# Altium PCB CarrierMotherboard.PcbDoc (part 1 of 6) (continued)
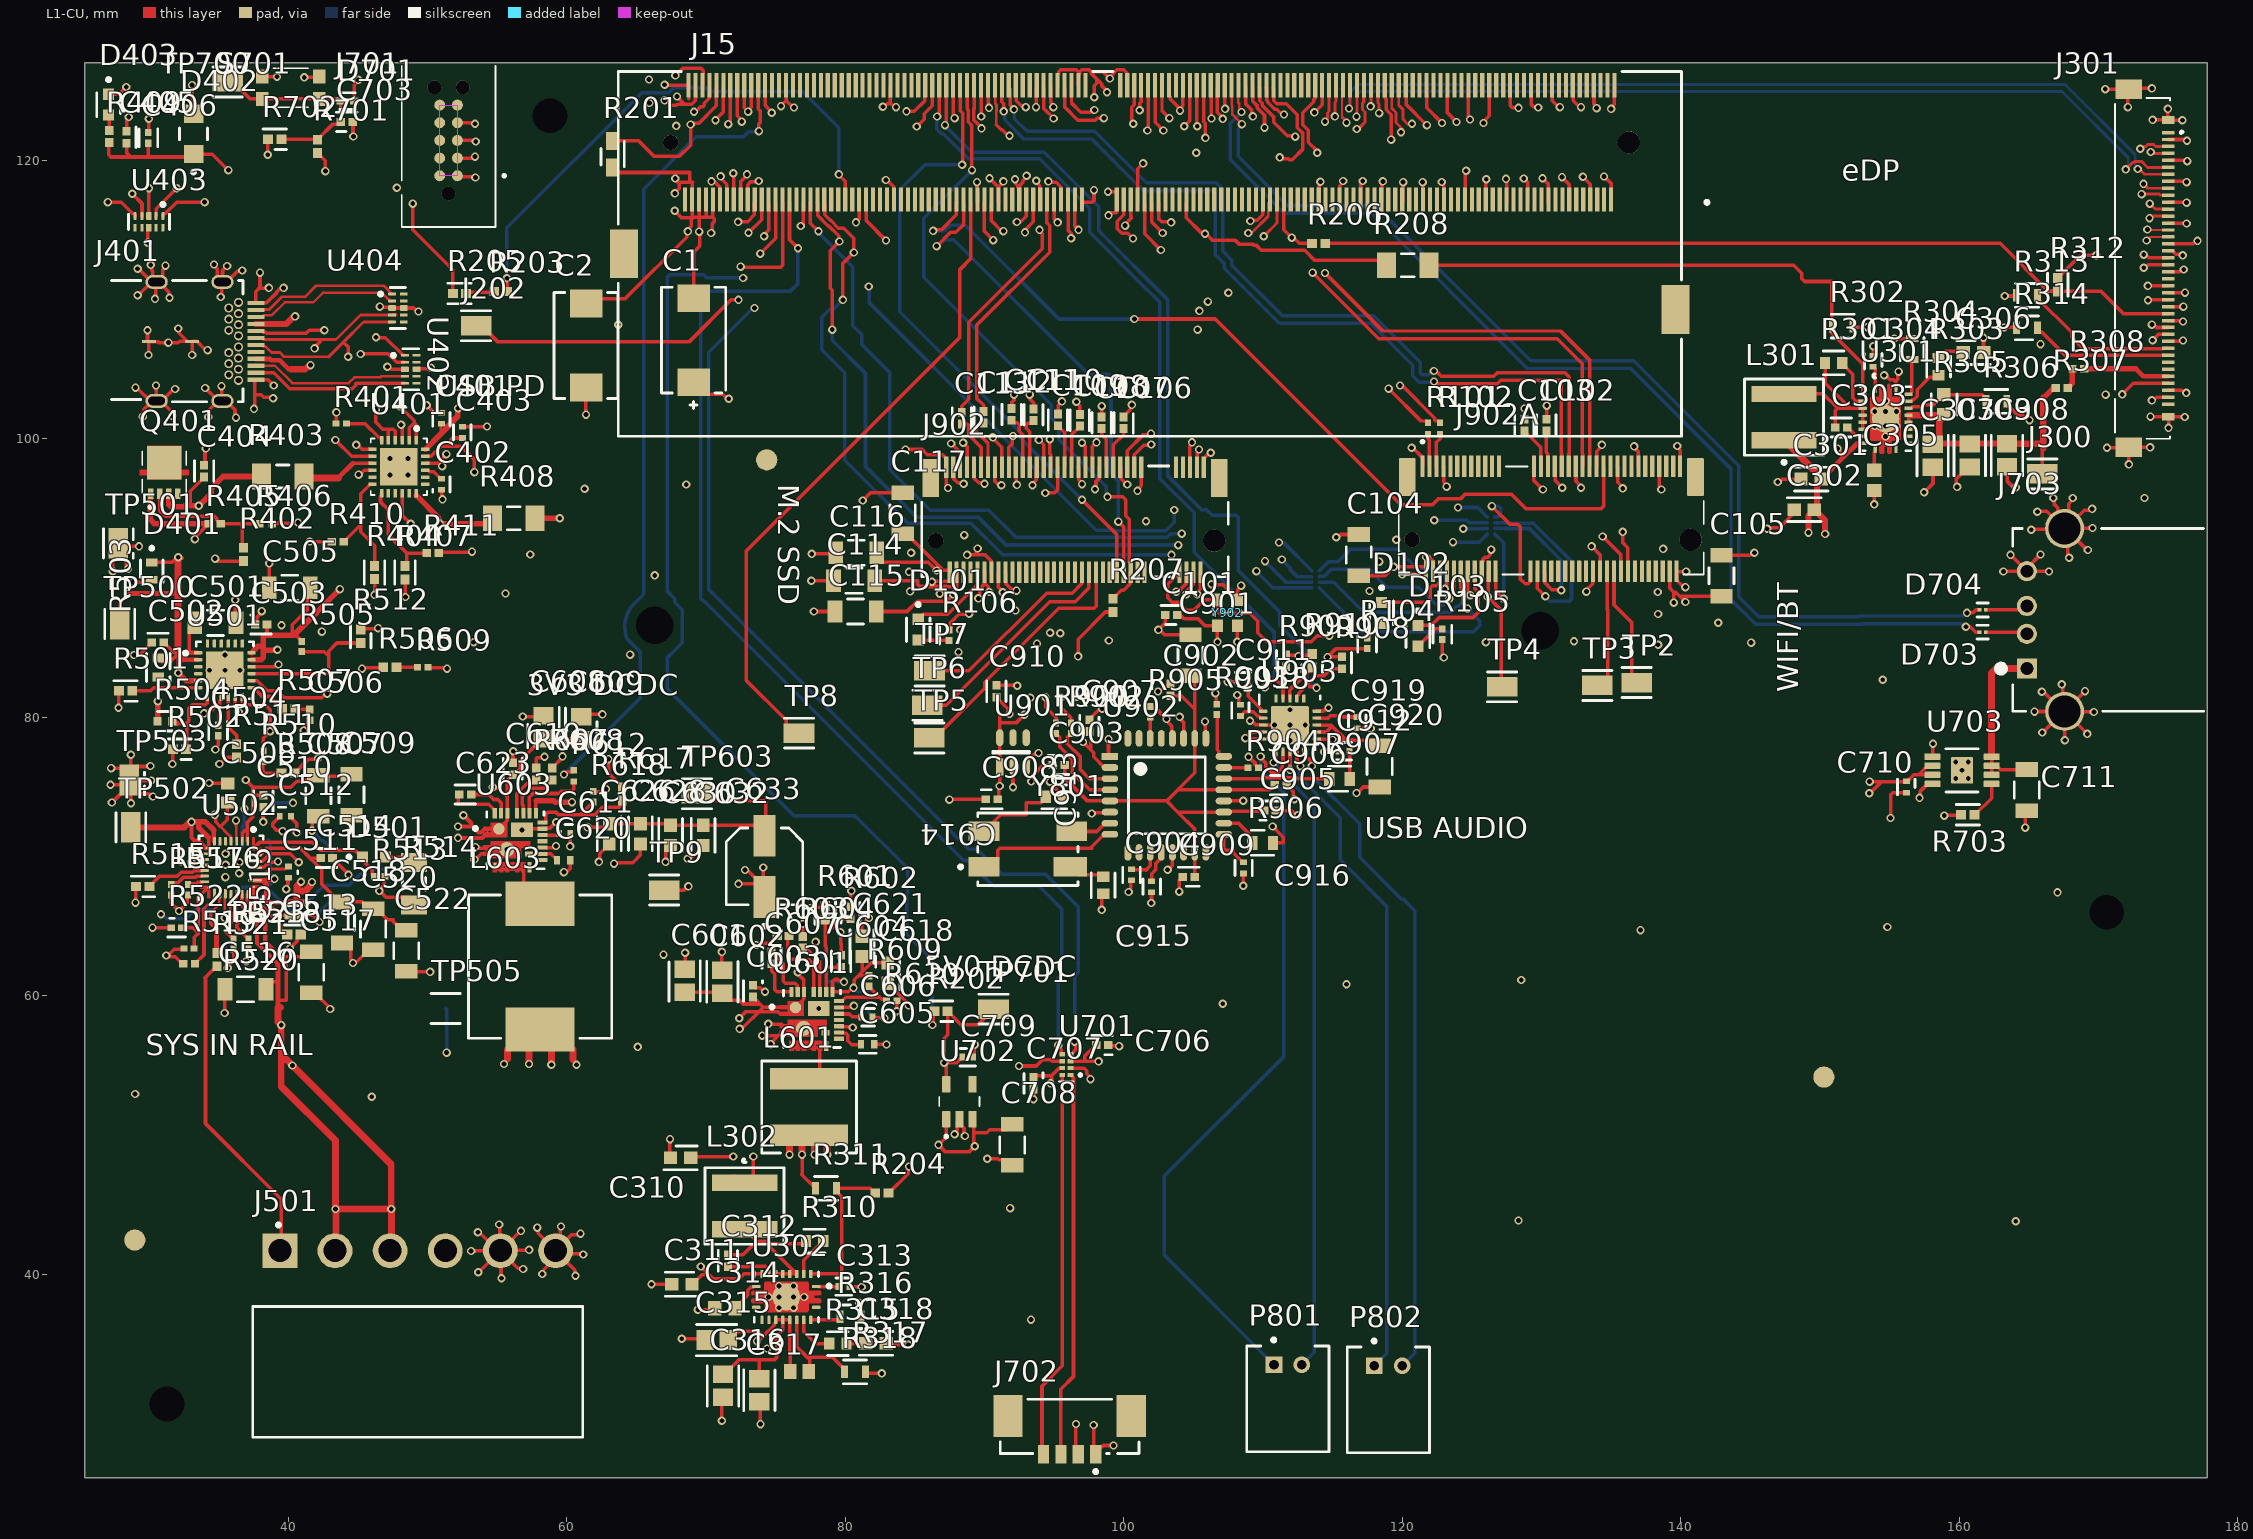
[diagram p0: L1-CU view]
## Components (designator, comment, footprint, x,y, rotation, side; value= is the part's Value field where it differs from the comment) (continued)
R908 "2k7" FP-CR0402-IPC_B 115.672,83.922 r90 top
R909 "2k7" FP-CR0402-IPC_B 111.658,84.074 r90 top
R910 "100k" FP-RC0402-0_4-IPC_A 113.535,84.074 r270 top
RN101 "" FP-EXB-18V-MFG 113.777,89.916 r270 bottom value=0Ω
RN104 "EXB-18VR000X" FP-EXB-18V-MFG 126.386,93.774 r270 bottom value=0Ω
S701 "KMR211NGLFS" SW_KMR211NGLFS 40.183,125.222 r180 top
TP2 "TP_W_DISABLE1" FP-S2751-46R-MFG#1 136.83,82.499 r0 top
TP3 "TP_W_DISABLE2" FP-S2751-46R-MFG#1 134.01,82.296 r0 top
TP4 "TP_UART_WAKE#" FP-S2751-46R-MFG#1 127.178,82.194 r0 top
TP5 "TP_M2_M_ALERT#" FP-S2751-46R-MFG#1 86.036,78.524 r0 top
TP6 "TP_M2_M_SMB_DATA" FP-S2751-46R-MFG#1 85.903,80.874 r0 top
TP7 "TP_M2_M_SMB_CLK" FP-S2751-46R-MFG#1 86.055,83.337 r0 top
TP8 "" FP-S2751-46R-MFG#2 76.683,78.867 r0 top
TP9 "" FP-S2751-46R-MFG#3 67,67.6 r0 top
TP500 "GND" FP-S2751-46R-MFG#4 27.9,86.7 r90 top
TP501 "TP_VSYS_IN" FP-S2751-46R-MFG#1 27.8,92.5 r90 top
TP502 "TP_INJECT_VOLT" FP-S2751-46R-MFG#1 28.7,72.1 r90 top
TP503 "GND" FP-S2751-46R-MFG#1 28.6,75.5 r90 top
TP504 "TP_SYS_IN" FP-S2751-46R-MFG#1 47.1,68.9 r180 bottom
TP505 "GND" FP-S2751-46R-MFG#5 51.3,59.1 r180 top
TP603 "TP_3V3_OUT" FP-S2751-46R-MFG#1 69.349,74.512 r0 top
TP700 "TP" FP-S2751-46R-MFG#1 35.645,125.629 r0 top
TP701 "TP_1V8_LDO" FP-S2751-46R-MFG#1 90.65,59.05 r0 top
U301 "TPS61088RHLT" FP-RHL0020A-MFG 154.711,101.448 r0 top
U302 "" FP-RHL0020A-MFG 75.772,38.38 r270 top
U401 "STUSB4500QTR" FP-QFN-24-EP_4x4-MFG 47.95,98 r270 top
U402 "TPD4E05U06QDQARQ1" FP-DQA0010A-MFG 48.8,105 r0 top value=0.5pF
U403 "TPD4E05U06QDQARQ1" FP-DQA0010A-MFG 30,115.582 r270 top value=0.5pF
U404 "TPD4E05U06QDQARQ1" FP-DQA0010A-MFG 47.883,109.4 r0 top value=0.5pF
U501 "TPS26630RGET" FP-RGE0024H-MFG 35.45,83.387 r0 top
U502 "BQ25792RQMR" FP-RQM0029A-MFG 35.9,69.2 r270 top
U601 "SIC431AED-T1-GE3" FP-T22-0442-MFG 77.613,58.348 r0 top
U603 "SIC431AED-T1-GE3" FP-T22-0442-MFG 56.313,71.175 r0 top
U701 "NTS0102GT" PSON50P100X195X50-8N 95.885,55.067 r180 top
U702 "TPS7A0518PDBVT" SOT95P280X145-5N 88.2,52.4 r90 top
U703 "TPS2001CDGNR" DGN0008D_L 160.2,76.2 r0 top
U901 "TPS22918TDBVRQ1" FP-DBV0006A-IPC_C 92.05,77.495 r90 top
U902 "PCM2912APJTR" FP-PJT0032A-IPC_C 103.1,74.4 r0 top
U903 "TPA2016D2RTJT" RTJ0020D_V 111.938,79.451 r0 top
Y801 "6mhz" FP-ABMM-MFG 93.116,70.536 r0 top
Y902 "ECS-327MVATX-2-CN-TR3" OSC_ECS-2520S25-250-FN-TR 107.451,87.52 r90 top

## Footprints (in the part's own frame and the unit in brackets; to place one, negate y for a bottom-side part, rotate by r counter-clockwise, add the part's x,y. Pads: shape width x height; smd on the part's side, far side on the other; paste and mask are expansions set on the pad)
632723300011 [mm] "USB 3.1 Type C Receptacle Horizontal THR"
  rect 0.3x1.2 smd mask+0.1: A1(-2.75,5.93) A2(-2.25,5.93) A3(-1.75,5.93) A4(-1.25,5.93) A5(-0.75,5.93) A6(-0.25,5.93) A7(0.25,5.93) A8(0.75,5.93) A9(1.25,5.93) A10(1.75,5.93) A11(2.25,5.93) A12(2.75,5.93)
  round 0.65 hole 0.4 mask+0.1: B1(2.8,4.68) B2(2.4,3.98) B3(1.6,3.98) B4(1.2,4.68) B5(0.8,3.98) B6(0.4,4.68) B7(-0.4,4.68) B8(-0.8,3.98) B9(-1.2,4.68) B10(-1.6,3.98) B11(-2.4,3.98) B12(-2.8,4.68) Shell(-2,4.68) Shell(2,4.68)
  oval 1x1.6 hole 0.6 slot 1.2 at 90 deg mask+0.1: Shell(-4.27,3.53) Shell(-4.27,-1.2) Shell(4.27,3.53) Shell(4.27,-1.2)
  rect 0.2x1 smd mask+0.1: Shell(0,1.35) Shell(0,-1.75)
  silkscreen extent -4.37,-4.45 4.34,5, body extent -4.37,-5.6 4.37,6.19, height 3.05
CAPC1005X55X25LL05T10 [mm] "Chip Capacitor, 2-Leads, Body 1.00x0.50mm, IPC High Density"
  rect 0.56x0.52 smd mask+0.065: 1(-0.39,0) 2(0.39,0)
  body extent -0.53,-0.28 0.53,0.28, height 0.55
CAPC1005X55X25ML5T10 [mm] "Chip Capacitor, 2-Leads, Body 1.05x0.55mm, IPC Low Density"
  rect 0.76x0.72 smd mask+0.065: 1(-0.49,0) 2(0.49,0)
  body extent -0.53,-0.28 0.53,0.28, height 0.55
CAPC1608X90X35ML10T15 [mm] "Chip Capacitor, 2-Leads, Body 1.60x0.80mm, IPC Low Density"
  rect 0.95x1.05 smd mask+0.1: 1(-0.725,0) 2(0.725,0)
  body extent -0.85,-0.45 0.85,0.45, height 0.9
CAPC1608X90X35NL10T15 [mm] "Chip Capacitor, 2-Leads, Body 1.60x0.80mm, IPC Medium Density"
  rect 0.85x0.95 smd mask+0.1: 1(-0.675,0) 2(0.675,0)
  body extent -0.85,-0.45 0.85,0.45, height 0.9
DGN0008D_L [mm] "TSOP, 8-Leads, Body 3.1x3.1mm, Pitch 0.65mm, Thermal Pad 1.89x1.57mm, IPC High Density"
  rrect22% 1.15x0.45 smd mask+0.1: 1(-2.125,0.975) 2(-2.125,0.325) 3(-2.125,-0.325) 4(-2.125,-0.975) 5(2.125,-0.975) 6(2.125,-0.325) 7(2.125,0.325) 8(2.125,0.975)
  rrect6% 1.57x1.89 smd mask+0.1: 9(0,0)
  silkscreen extent -1.15,-1.55 1.15,1.55, body extent -2.45,-1.5 2.45,1.5, height 0.94
FP-1-2199230-6-MFG [mm]
  rect 0.3x1.55 smd paste+0 mask+0: 1(-9.25,3.9) 2(-9,-3.65) 3(-8.75,3.9) 4(-8.5,-3.65) 5(-8.25,3.9) 6(-8,-3.65) 7(-7.75,3.9) 8(-7.5,-3.65) 9(-7.25,3.9) 10(-7,-3.65) 11(-6.75,3.9) 12(-6.5,-3.65) 13(-6.25,3.9) 14(-6,-3.65) 15(-5.75,3.9) 16(-5.5,-3.65) 17(-5.25,3.9) 18(-5,-3.65) 19(-4.75,3.9) 20(-4.5,-3.65) 21(-4.25,3.9) 22(-4,-3.65) 23(-3.75,3.9) 24(-3.5,-3.65) 25(-3.25,3.9) 26(-3,-3.65) 27(-2.75,3.9) 28(-2.5,-3.65) 29(-2.25,3.9) 30(-2,-3.65) 31(-1.75,3.9) 32(-1.5,-3.65) 33(-1.25,3.9) 34(-1,-3.65) 35(-0.75,3.9) 36(-0.5,-3.65) 37(-0.25,3.9) 38(0,-3.65) 39(0.25,3.9) 40(0.5,-3.65) 41(0.75,3.9) 42(1,-3.65) 43(1.25,3.9) 44(1.5,-3.65) 45(1.75,3.9) 46(2,-3.65) 47(2.25,3.9) 48(2.5,-3.65) 49(2.75,3.9) 50(3,-3.65) 51(3.25,3.9) 52(3.5,-3.65) 53(3.75,3.9) 54(4,-3.65) 55(4.25,3.9) 56(4.5,-3.65) 57(4.75,3.9) 58(5,-3.65) 67(7.25,3.9) 68(7.5,-3.65) 69(7.75,3.9) 70(8,-3.65) 71(8.25,3.9) 72(8.5,-3.65) 73(8.75,3.9) 74(9,-3.65) 75(9.25,3.9)
  rect 1.2x2.75 smd paste+0 mask+0: 76(-10.35,3.125) 77(10.35,3.125)
  round 1.1 hole 1.1 unplated paste-2539.97 mask+0: ""(-10,-1.375)
  round 1.6 hole 1.6 unplated paste-2539.97 mask+0: ""(10,-1.375)
  silkscreen extent -11,-3.98 11,3.98, body extent -11.1,-4.52 11.1,4.77, height 0.25
FP-2309413-1-MFG [mm]
  rect 0.3x1.75 smd paste+0 mask+0: 1(33.375,12.1) 2(33.125,3.9) 3(32.875,12.1) 4(32.625,3.9) 5(32.375,12.1) 6(32.125,3.9) 7(31.875,12.1) 8(31.625,3.9) 9(31.375,12.1) 10(31.125,3.9) 11(30.875,12.1) 12(30.625,3.9) 13(30.375,12.1) 14(30.125,3.9) 15(29.875,12.1) 16(29.625,3.9) 17(29.375,12.1) 18(29.125,3.9) 19(28.875,12.1) 20(28.625,3.9) 21(28.375,12.1) 22(28.125,3.9) 23(27.875,12.1) 24(27.625,3.9) 25(27.375,12.1) 26(27.125,3.9) 27(26.875,12.1) 28(26.625,3.9) 29(26.375,12.1) 30(26.125,3.9) 31(25.875,12.1) 32(25.625,3.9) 33(25.375,12.1) 34(25.125,3.9) 35(24.875,12.1) 36(24.625,3.9) 37(24.375,12.1) 38(24.125,3.9) 39(23.875,12.1) 40(23.625,3.9) 41(23.375,12.1) 42(23.125,3.9) 43(22.875,12.1) 44(22.625,3.9) 45(22.375,12.1) 46(22.125,3.9) 47(21.875,12.1) 48(21.625,3.9) 49(21.375,12.1) 50(21.125,3.9) 51(20.875,12.1) 52(20.625,3.9) 53(20.375,12.1) 54(20.125,3.9) 55(19.875,12.1) 56(19.625,3.9) 57(19.375,12.1) 58(19.125,3.9) 59(18.875,12.1) 60(18.625,3.9) 61(18.375,12.1) 62(18.125,3.9) 63(17.875,12.1) 64(17.625,3.9) 65(17.375,12.1) 66(17.125,3.9) 67(16.875,12.1) 68(16.625,3.9) 69(16.375,12.1) 70(16.125,3.9) 71(15.875,12.1) 72(15.625,3.9) 73(15.375,12.1) 74(15.125,3.9) 75(14.875,12.1) 76(14.625,3.9) 77(14.375,12.1) 78(14.125,3.9) 79(13.875,12.1) 80(13.625,3.9) 81(13.375,12.1) 82(13.125,3.9) 83(12.875,12.1) 84(12.625,3.9) 85(12.375,12.1) 86(12.125,3.9) 87(11.875,12.1) 88(11.625,3.9) 89(11.375,12.1) 90(11.125,3.9) 91(10.875,12.1) 92(10.625,3.9) 93(10.375,12.1) 94(10.125,3.9) 95(9.875,12.1) 96(9.625,3.9) 97(9.375,12.1) 98(9.125,3.9) 99(8.875,12.1) 100(8.625,3.9) 101(8.375,12.1) 102(8.125,3.9) 103(7.875,12.1) 104(7.625,3.9) 105(7.375,12.1) 106(7.125,3.9) 107(6.875,12.1) 108(6.625,3.9) 109(6.375,12.1) 110(6.125,3.9) 111(5.875,12.1) 112(5.625,3.9) 113(5.375,12.1) 114(5.125,3.9) 115(4.875,12.1) 116(4.625,3.9) 117(4.375,12.1) 118(4.125,3.9) 119(3.875,12.1) 120(3.625,3.9) 121(3.375,12.1) 122(3.125,3.9) 123(2.875,12.1) 124(2.625,3.9) 125(2.375,12.1) 126(2.125,3.9) 127(1.875,12.1) 128(1.625,3.9) 129(1.375,12.1) 130(1.125,3.9) 131(0.875,12.1) 132(0.625,3.9) 133(0.375,12.1) 134(0.125,3.9) 135(-0.125,12.1) 136(-0.375,3.9) 137(-0.625,12.1) 138(-0.875,3.9) 139(-1.125,12.1) 140(-1.375,3.9) 141(-1.625,12.1) 142(-1.875,3.9) 143(-2.125,12.1) 144(-2.375,3.9) 145(-4.625,12.1) 146(-4.875,3.9) 147(-5.125,12.1) 148(-5.375,3.9) 149(-5.625,12.1) 150(-5.875,3.9) 151(-6.125,12.1) 152(-6.375,3.9) 153(-6.625,12.1) 154(-6.875,3.9) 155(-7.125,12.1) 156(-7.375,3.9) 157(-7.625,12.1) 158(-7.875,3.9) 159(-8.125,12.1) 160(-8.375,3.9) 161(-8.625,12.1) 162(-8.875,3.9) 163(-9.125,12.1) 164(-9.375,3.9) 165(-9.625,12.1) 166(-9.875,3.9) 167(-10.125,12.1) 168(-10.375,3.9) 169(-10.625,12.1) 170(-10.875,3.9) 171(-11.125,12.1) 172(-11.375,3.9) 173(-11.625,12.1) 174(-11.875,3.9) 175(-12.125,12.1) 176(-12.375,3.9) 177(-12.625,12.1) 178(-12.875,3.9) 179(-13.125,12.1) 180(-13.375,3.9) 181(-13.625,12.1) 182(-13.875,3.9) 183(-14.125,12.1) 184(-14.375,3.9) 185(-14.625,12.1) 186(-14.875,3.9) 187(-15.125,12.1) 188(-15.375,3.9) 189(-15.625,12.1) 190(-15.875,3.9) 191(-16.125,12.1) 192(-16.375,3.9) 193(-16.625,12.1) 194(-16.875,3.9) 195(-17.125,12.1) 196(-17.375,3.9) 197(-17.625,12.1) 198(-17.875,3.9) 199(-18.125,12.1) 200(-18.375,3.9) 201(-18.625,12.1) 202(-18.875,3.9) 203(-19.125,12.1) 204(-19.375,3.9) 205(-19.625,12.1) 206(-19.875,3.9) 207(-20.125,12.1) 208(-20.375,3.9) 209(-20.625,12.1) 210(-20.875,3.9) 211(-21.125,12.1) 212(-21.375,3.9) 213(-21.625,12.1) 214(-21.875,3.9) 215(-22.125,12.1) 216(-22.375,3.9) 217(-22.625,12.1) 218(-22.875,3.9) 219(-23.125,12.1) 220(-23.375,3.9) 221(-23.625,12.1) 222(-23.875,3.9) 223(-24.125,12.1) 224(-24.375,3.9) 225(-24.625,12.1) 226(-24.875,3.9) 227(-25.125,12.1) 228(-25.375,3.9) 229(-25.625,12.1) 230(-25.875,3.9) 231(-26.125,12.1) 232(-26.375,3.9) 233(-26.625,12.1) 234(-26.875,3.9) 235(-27.125,12.1) 236(-27.375,3.9) 237(-27.625,12.1) 238(-27.875,3.9) 239(-28.125,12.1) 240(-28.375,3.9) 241(-28.625,12.1) 242(-28.875,3.9) 243(-29.125,12.1) 244(-29.375,3.9) 245(-29.625,12.1) 246(-29.875,3.9) 247(-30.125,12.1) 248(-30.375,3.9) 249(-30.625,12.1) 250(-30.875,3.9) 251(-31.125,12.1) 252(-31.375,3.9) 253(-31.625,12.1) 254(-31.875,3.9) 255(-32.125,12.1) 256(-32.375,3.9) 257(-32.625,12.1) 258(-32.875,3.9) 259(-33.125,12.1) 260(-33.375,3.9)
  rect 2x3.5 smd paste+0 mask+0: 261(-37.75,0) 262(37.75,-4)
  round 1.1 hole 1.1 unplated paste-2539.97 mask+0: ""(-34.4,8)
  round 1.6 hole 1.6 unplated paste-2539.97 mask+0: ""(34.4,8)
  silkscreen extent -38.18,-13.1 40.12,13.1, body extent -39.1,-13.2 39.1,13.2, height 0.25
FP-533980471-MFG [mm]
  rect 0.8x1.3 smd paste+0 mask+0: 1(1.875,-2) 2(0.625,-2) 3(-0.625,-2) 4(-1.875,-2)
  rect 2.1x3 smd paste+0 mask+0: 5(-4.425,0.75) 6(4.425,0.75)
  silkscreen extent -4.97,-3.37 4.97,1.95, body extent -5.58,-2.75 5.58,2.35, height 0.25
FP-ABMM-MFG [mm]
  rect 2.2x1.4 smd paste+0 mask+0: 1(-3.15,-1.27) 2(-3.15,1.27) 3(3.15,1.27)
  rect 2.4x1.4 smd paste+0 mask+0: 4(3.05,-1.27)
  silkscreen extent -4.95,-2.6 3.6,2.6, body extent -4.35,-2.7 4.35,2.7, height 0.25
FP-AC0603-IPC_C [mm]
  rect 0.659x0.812 smd paste+0 mask+0: 1(-0.677,0) 2(0.677,0)
  silkscreen extent -1.01,-0.85 1.01,0.85, body extent -1.11,-0.55 1.11,0.55, height 0.25
FP-B6PS-VH_LF_SN-MFG [mm]
  rect 2.5x2.5 hole 1.65 paste-2539.97 mask+0: 1(-9.9,8.7)
  round 2.5 hole 1.65 paste-2539.97 mask+0: 2(-5.94,8.7) 3(-1.98,8.7) 4(1.98,8.7) 5(5.94,8.7) 6(9.9,8.7)
  silkscreen extent -11.85,-4.7 11.85,10.67, body extent -11.95,-6.3 11.95,10.05, height 0.25
FP-C0603C-CF-MFG#1 [mm]
  rect 0.75x0.9 smd paste+0 mask+0: 1(-0.6,0) 2(0.6,0)
  silkscreen extent -0.87,-0.85 0.88,0.85, body extent -1.2,-0.6 1.2,0.6, height 0.25
FP-C0603C-CF-MFG#2 [mm]
  rect 0.75x0.9 smd paste+0 mask+0: 1(-0.6,0) 1(0.6,0)
  silkscreen extent -0.87,-0.85 0.87,0.85, body extent -1.2,-0.6 1.2,0.6, height 0.25
FP-C1005-050-0_05-IPC_B [mm]
  rect 0.639x0.572 smd paste+0 mask+0: 1(-0.417,0) 2(0.417,0)
  silkscreen extent -0.74,-0.69 0.74,0.69, body extent -0.89,-0.44 0.89,0.44, height 0.25
FP-CL10-IPC_B [mm]
  rect 0.958x0.912 smd paste+0 mask+0: 1(-0.727,0) 2(0.727,0)
  silkscreen extent -1.21,-0.86 1.21,0.86, body extent -1.46,-0.71 1.46,0.71, height 0.25
FP-CR0402-IPC_A [mm]
  rect 0.715x0.672 smd paste+0 mask+0: 1(-0.479,0) 2(0.479,0)
  silkscreen extent -0.84,-0.74 0.84,0.74, body extent -1.04,-0.54 1.04,0.54, height 0.25
FP-CR0402-IPC_B [mm]
  rect 0.615x0.572 smd paste+0 mask+0: 1(-0.429,0) 2(0.429,0)
  silkscreen extent -0.74,-0.69 0.74,0.69, body extent -0.89,-0.44 0.89,0.44, height 0.25
FP-CR0402-IPC_C [mm]
  rect 0.515x0.472 smd paste+0 mask+0: 1(-0.379,0) 2(0.379,0)
  silkscreen extent -0.64,-0.67 0.64,0.67, body extent -0.74,-0.38 0.74,0.38, height 0.25
FP-CRCW0402-e3-MFG [mm]
  rect 0.6x0.6 smd paste+0 mask+0: 1(-0.525,0) 2(0.525,0)
  silkscreen extent -0.53,-0.7 0.53,0.7, body extent -0.92,-0.4 0.92,0.4, height 0.25
FP-CRCW0603-e3-IPC_B [mm]
  rect 0.935x0.962 smd paste+0 mask+0: 1(-0.715,0) 2(0.715,0)
  silkscreen extent -0.75,-0.95 0.75,0.9, body extent -1.43,-0.73 1.43,0.73, height 0.25
FP-CRCW0603-e3-IPC_C [mm]
  rect 0.735x0.862 smd paste+0 mask+0: 1(-0.615,0) 2(0.615,0)
  silkscreen extent -0.75,-0.85 0.75,0.85, body extent -1.08,-0.58 1.08,0.58, height 0.25
FP-CRCW0603-e3-MFG [mm]
  rect 0.75x1 smd paste+0 mask+0: 1(-0.75,0) 2(0.75,0)
  silkscreen extent -0.8,-0.9 0.8,0.9, body extent -1.22,-0.6 1.22,0.6, height 0.25
FP-CRCW0603C-e3-MFG [mm]
  rect 0.5x0.9 smd paste+0 mask+0: 1(-0.75,0) 2(0.75,0)
  silkscreen extent -0.82,-0.85 0.82,0.85, body extent -1.1,-0.55 1.1,0.55, height 0.25
FP-DBV0006A-IPC_C [mm]
  rect 1.205x0.53 smd paste+0 mask+0: 1(-1.05,0.95)
  rrect100% 1.205x0.53 smd paste+0 mask+0: 2(-1.05,0) 3(-1.05,-0.95) 4(1.05,-0.95) 5(1.05,0) 6(1.05,0.95)
  silkscreen extent -0.05,-1.19 0.05,1.45, body extent -1.75,-1.55 1.75,1.55, height 0.25
FP-DPL0002A-MFG [mm]
  rect 0.28x0.25 smd paste+0 mask+0: 1(-0.22,0) 2(0.22,0)
  silkscreen extent -0.4,-0.5 0.4,0.5, body extent -0.46,-0.28 0.46,0.28, height 0.25
FP-DPY0002A-MFG [mm]
  rect 0.6x0.5 smd paste+0 mask+0: 1(-0.5,0) 2(0.5,0)
  silkscreen extent -0.56,-0.6 0.55,0.6, body extent -0.9,-0.45 0.9,0.45, height 0.25
FP-DQA0010A-MFG [mm]
  rrect50% 0.565x0.2 smd paste+0 mask+0: 1(-0.417,1) 2(-0.417,0.5) 4(-0.417,-0.5) 5(-0.417,-1) 6(0.417,-1) 7(0.417,-0.5) 9(0.417,0.5) 10(0.417,1)
  rrect25% 0.565x0.4 smd paste-1000 mask+0: 3(-0.417,0) 8(0.417,0)
  silkscreen extent -1.37,-1.48 0.55,1.48, body extent -0.5,-1.25 0.5,1.25, height 0.55
FP-EXB-18V-MFG [mm]
  rect 0.175x0.3 smd paste+0 mask+0: 1(-0.6,-0.275) 2(-0.2,-0.275) 3(0.2,-0.275) 4(0.6,-0.275) 5(0.6,0.275) 6(0.2,0.275) 7(-0.2,0.275) 8(-0.6,0.275)
  silkscreen extent -1.1,-1.13 1.1,0.35, body extent -0.7,-0.3 0.7,0.3, height 0.45
FP-GRM15-0_1-MFG [mm]
  rect 0.4x0.5 smd paste+0 mask+0: 1(-0.4,0) 2(0.4,0)
  silkscreen extent -0.55,-0.63 0.55,0.63, body extent -0.7,-0.38 0.7,0.38, height 0.25
FP-GRM21B-0_2-e0_2_0_7-IPC_B [mm]
  rect 1.255x1.456 smd paste+0 mask+0: 1(-0.826,0) 2(0.826,0)
  silkscreen extent -1.45,-1.13 1.45,1.13, body extent -1.7,-0.98 1.7,0.98, height 0.25
FP-GRM31C-0_2-e0_3_0_8-MFG [mm]
  rect 1.05x1.6 smd paste+0 mask+0: 1(-1.475,0) 2(1.475,0)
  silkscreen extent -0.58,-0.9 0.58,0.9, body extent -2.1,-1 2.1,1, height 0.25
FP-GRM155-0_1-IPC_C [mm]
  rect 0.515x0.472 smd paste+0 mask+0: 1(-0.379,0) 2(0.379,0)
  silkscreen extent -0.64,-0.67 0.64,0.67, body extent -0.74,-0.38 0.74,0.38, height 0.25
FP-GRM155-0_2-MFG [mm]
  rect 0.45x0.6 smd paste+0 mask+0: 1(-0.475,0) 2(0.475,0)
  silkscreen extent -0.6,-0.64 0.6,0.65, body extent -0.8,-0.45 0.8,0.45, height 0.25
FP-GRM155-0_05-IPC_B [mm]
  rect 0.615x0.572 smd paste+0 mask+0: 1(-0.429,0) 2(0.429,0)
  silkscreen extent -0.74,-0.69 0.74,0.69, body extent -0.89,-0.44 0.89,0.44, height 0.25
FP-GRM155-0_05-IPC_C [mm]
  rect 0.515x0.472 smd paste+0 mask+0: 1(-0.379,0) 2(0.379,0)
  silkscreen extent -0.64,-0.67 0.64,0.67, body extent -0.74,-0.38 0.74,0.38, height 0.25
FP-GRM155-0_05-MFG [mm]
  rect 0.4x0.5 smd paste+0 mask+0: 1(-0.4,0) 2(0.4,0)
  silkscreen extent -0.07,0.65 0.11,0.65, body extent -0.7,-0.38 0.7,0.38, height 0.25
FP-GRM188-0_1-e0_2_0_5-IPC_B [mm]
  rect 0.959x0.912 smd paste+0 mask+0: 1(-0.727,0) 2(0.727,0)
  silkscreen extent -1.21,-0.86 1.21,0.86, body extent -1.46,-0.71 1.46,0.71, height 0.25
FP-HCJ0603-MFG [mm]
  rect 1.3x0.92 smd paste+0 mask+0: 1(-0.95,0) 2(0.95,0)
  silkscreen extent -0.9,-0.83 0.9,0.83, body extent -1.7,-0.63 1.7,0.63, height 0.25
FP-IHLP-4040DZ-FP_3_175x4-MFG [mil]
  rect 125x195 smd paste+0 mask+0: 1(-177.5,0) 2(177.5,0)
  silkscreen extent -203,-203 203,203, body extent -244,-206 244,206, height 10
FP-LTST-C190GKT-MFG [mm]
  rect 0.8x0.8 smd paste+0 mask+0: 1(-0.75,0) 2(0.75,0)
  silkscreen extent -1.92,-0.85 0.85,0.85, body extent -1.25,-0.55 1.25,0.55, height 0.25
FP-NCP15-NCU15-0_05-IPC_C [mm]
  rect 0.515x0.472 smd paste+0 mask+0: 1(-0.379,0) 2(0.379,0)
  silkscreen extent -0.64,-0.67 0.64,0.67, body extent -0.74,-0.38 0.74,0.38, height 0.25
FP-OS-CON-SMT-B6-MFG [mm]
  rect 3x1.6 smd paste+0 mask+0: 1(-2.2,0) 2(2.2,0)
  silkscreen extent -4.42,-2.75 2.75,2.75, body extent -3.95,-3 3.95,3, height 0.25
FP-PJT0032A-IPC_C [mm]
  rect 1.188x0.486 smd paste+0 mask+0: 1(-4.091,2.8)
  rrect100% 1.188x0.486 smd paste+0 mask+0: 2(-4.091,2) 3(-4.091,1.2) 4(-4.091,0.4) 5(-4.091,-0.4) 6(-4.091,-1.2) 7(-4.091,-2) 8(-4.091,-2.8) 17(4.091,-2.8) 18(4.091,-2) 19(4.091,-1.2) 20(4.091,-0.4) 21(4.091,0.4) 22(4.091,1.2) 23(4.091,2) 24(4.091,2.8)
  rrect100% 0.486x1.188 smd paste+0 mask+0: 9(-2.8,-4.091) 10(-2,-4.091) 11(-1.2,-4.091) 12(-0.4,-4.091) 13(0.4,-4.091) 14(1.2,-4.091) 15(2,-4.091) 16(2.8,-4.091) 25(2.8,4.091) 26(2,4.091) 27(1.2,4.091) 28(0.4,4.091) 29(-0.4,4.091) 30(-1.2,4.091) 31(-2,4.091) 32(-2.8,4.091)
  silkscreen extent -2.75,-2.75 2.75,2.75, body extent -4.79,-4.79 4.79,4.79, height 0.25
FP-QFN-24-EP_4x4-MFG [mm]
  rect 0.6x0.25 smd paste+0 mask+0: 1(-1.9,1.25) 2(-1.9,0.75) 3(-1.9,0.25) 4(-1.9,-0.25) 5(-1.9,-0.75) 6(-1.9,-1.25) 13(1.9,-1.25) 14(1.9,-0.75) 15(1.9,-0.25) 16(1.9,0.25) 17(1.9,0.75) 18(1.9,1.25)
  rect 0.25x0.6 smd paste+0 mask+0: 7(-1.25,-1.9) 8(-0.75,-1.9) 9(-0.25,-1.9) 10(0.25,-1.9) 11(0.75,-1.9) 12(1.25,-1.9) 19(1.25,1.9) 20(0.75,1.9) 21(0.25,1.9) 22(-0.25,1.9) 23(-0.75,1.9) 24(-1.25,1.9)
  rect 2.7x2.7 smd paste+0 mask+0: 25(0,0)
  silkscreen extent -2.87,-2.02 2.02,2.02, body extent -2.3,-2.3 2.3,2.3, height 0.25
FP-QFN_1610-MFG [mm]
  rect 0.55x0.8 smd paste-1000 mask+0: 1(-0.625,0) 2(0.625,0)
  silkscreen extent -1.77,-0.8 0.8,0.8, body extent -1,-0.6 1,0.6, height 0.25
FP-RC0402-0_4-IPC_A [mm]
  rect 0.715x0.672 smd paste+0 mask+0: 1(-0.479,0) 2(0.479,0)
  silkscreen extent -0.84,-0.74 0.84,0.74, body extent -1.04,-0.54 1.04,0.54, height 0.25
FP-RGE0024H-MFG [mm]
  rrect42% 0.58x0.24 smd paste+0 mask+0: 1(-1.913,1.25) 2(-1.913,0.75) 3(-1.913,0.25) 4(-1.913,-0.25) 5(-1.913,-0.75) 6(-1.913,-1.25) 13(1.913,-1.25) 14(1.913,-0.75) 15(1.913,-0.25) 16(1.913,0.25) 17(1.913,0.75) 18(1.913,1.25)
  rrect42% 0.24x0.58 smd paste+0 mask+0: 7(-1.25,-1.913) 8(-0.75,-1.913) 9(-0.25,-1.913) 10(0.25,-1.913) 11(0.75,-1.913) 12(1.25,-1.913) 19(1.25,1.913) 20(0.75,1.913) 21(0.25,1.913) 22(-0.25,1.913) 23(-0.75,1.913) 24(-1.25,1.913)
  rrect4% 2.7x2.7 smd paste-1000 mask+0: 25(0,0)
  silkscreen extent -2.95,-2.05 2.05,2.05, body extent -2.3,-2.3 2.3,2.3, height 0.25
FP-RHL0020A-MFG [mm]
  rrect42% 0.24x0.6 smd paste+0 mask+0: 1(-0.75,2.15) 10(-0.75,-2.15) 11(0.75,-2.15) 20(0.75,2.15)
  rrect42% 0.6x0.24 smd paste+0 mask+0: 2(-1.65,1.75) 3(-1.65,1.25) 4(-1.65,0.75) 5(-1.65,0.25) 6(-1.65,-0.25) 7(-1.65,-0.75) 8(-1.65,-1.25) 9(-1.65,-1.75) 12(1.65,-1.75) 13(1.65,-1.25) 14(1.65,-0.75) 15(1.65,-0.25) 16(1.65,0.25) 17(1.65,0.75) 18(1.65,1.25) 19(1.65,1.75)
  round 1.971 smd paste-1000 mask-1000: 21(0,0)
  L1-CU region: -1.095,1.455 -1.076,1.525 -1.025,1.576 -0.955,1.595 -0.955,1.595 -0.445,1.595 -0.445,2.38 -0.434,2.434 -0.404,2.479 -0.359,2.509 -0.305,2.52 -0.305,2.52 -0.245,2.52 -0.191,2.509 -0.146,2.479 -0.116,2.434 -0.105,2.38 -0.105,2.38 -0.105,1.995 0.105,1.995 0.105,2.38 0.124,2.45 0.175,2.501 0.245,2.52 0.245,2.52 0.305,2.52 0.375,2.501 0.426,2.45 0.445,2.38 0.445,2.38 0.445,1.595 0.955,1.595 1.025,1.576 1.076,1.525 1.095,1.455 1.095,1.455 1.095,-1.455 1.076,-1.525 1.025,-1.576 0.955,-1.595 0.955,-1.595 0.445,-1.595 0.445,-2.38 0.426,-2.45 0.375,-2.501 0.305,-2.52 0.305,-2.52 0.245,-2.52 0.175,-2.501 0.124,-2.45 0.105,-2.38 0.105,-2.38 0.105,-1.995 -0.105,-1.995 -0.105,-2.38 -0.124,-2.45 -0.175,-2.501 -0.245,-2.52 -0.245,-2.52 -0.305,-2.52 -0.375,-2.501 -0.426,-2.45 -0.445,-2.38 -0.445,-2.38 -0.445,-1.595 -0.955,-1.595 -1.025,-1.576 -1.076,-1.525 -1.095,-1.455 -1.095,-1.455
  silkscreen extent -1.8,-2.3 1.8,3.2, body extent -2.05,-2.62 2.05,2.62, height 0.25
FP-RQM0029A-MFG [mm]
  round 0.192 smd paste+0 mask+0: 1(-1.369,1.631)
  rrect50% 0.6x0.2 smd paste+0 mask+0: 2(-1.9,1.2) 3(-1.9,0.8) 4(-1.9,0.4) 5(-1.9,0) 6(-1.9,-0.4) 7(-1.9,-0.8) 8(-1.9,-1.2) 20(1.9,0) 21(1.9,0.4) 22(1.9,0.8) 23(1.9,1.2)
  round 0.158 smd paste+0 mask+0: 9(-1.412,-1.763)
  rrect50% 0.2x0.6 smd paste+0 mask+0: 10(-1,-1.9) 11(-0.6,-1.9) 12(-0.2,-1.9) 13(0.2,-1.9) 14(0.6,-1.9) 15(1,-1.9)
  round 0.175 smd paste+0 mask+0: 16(1.431,-1.631) 24(1.381,1.631)
  rrect50% 0.7x0.2 smd paste+0 mask+0: 17(1.85,-1.2)
  rrect50% 0.65x0.2 smd paste+0 mask+0: 18(1.875,-0.8)
  rrect50% 0.68x0.2 smd paste+0 mask+0: 19(1.86,-0.4)
  rrect50% 0.2x1 smd paste+0 mask+0: 25(0.9,1.7) 26(0.45,1.7) 27(0,1.7) 28(-0.45,1.7)
  rrect50% 0.2x0.95 smd paste+0 mask+0: 29(-0.9,1.725)
  L1-CU region: 2.2,-1.65 2.193,-1.675 2.175,-1.693 2.15,-1.7 2.15,-1.7 1.5,-1.7 1.5,-2.15 1.496,-2.169 1.485,-2.185 1.469,-2.196 1.45,-2.2 1.45,-2.2 1.35,-2.2 1.325,-2.193 1.307,-2.175 1.3,-2.15 1.3,-2.15 1.3,-1.55 1.304,-1.531 1.315,-1.515 1.331,-1.504 1.35,-1.5 1.35,-1.5 2.15,-1.5 2.169,-1.504 2.185,-1.515 2.196,-1.531 2.2,-1.55 2.2,-1.55
  L1-CU region: 2.2,1.65 2.196,1.669 2.185,1.685 2.169,1.696 2.15,1.7 2.15,1.7 1.45,1.7 1.45,2.15 1.446,2.169 1.435,2.185 1.419,2.196 1.4,2.2 1.4,2.2 1.3,2.2 1.275,2.193 1.257,2.175 1.25,2.15 1.25,2.15 1.25,1.55 1.254,1.531 1.265,1.515 1.281,1.504 1.3,1.5 1.3,1.5 2.15,1.5 2.169,1.504 2.185,1.515 2.196,1.531 2.2,1.55 2.2,1.55
  L1-CU region: -2.2,1.65 -2.193,1.675 -2.175,1.693 -2.15,1.7 -2.15,1.7 -1.45,1.7 -1.45,2.15 -1.443,2.175 -1.425,2.193 -1.4,2.2 -1.4,2.2 -1.3,2.2 -1.275,2.193 -1.257,2.175 -1.25,2.15 -1.25,2.15 -1.25,1.55 -1.254,1.531 -1.265,1.515 -1.281,1.504 -1.3,1.5 -1.3,1.5 -2.15,1.5 -2.169,1.504 -2.185,1.515 -2.196,1.531 -2.2,1.55 -2.2,1.55
  L1-CU region: -2.2,-1.65 -2.193,-1.675 -2.175,-1.693 -2.15,-1.7 -2.15,-1.7 -1.5,-1.7 -1.5,-2.15 -1.496,-2.169 -1.485,-2.185 -1.469,-2.196 -1.45,-2.2 -1.45,-2.2 -1.35,-2.2 -1.331,-2.196 -1.315,-2.185 -1.304,-2.169 -1.3,-2.15 -1.3,-2.15 -1.3,-1.55 -1.304,-1.531 -1.315,-1.515 -1.331,-1.504 -1.35,-1.5 -1.35,-1.5 -2.15,-1.5 -2.169,-1.504 -2.185,-1.515 -2.196,-1.531 -2.2,-1.55 -2.2,-1.55
  silkscreen extent -2.87,-2.3 2.3,2.3, body extent -2.3,-2.3 2.3,2.3, height 0.25
FP-S2751-46R-MFG#1 [mm]
  rect 2.2x1.4 smd paste+0 mask+0: 1(0,0)
  silkscreen extent -1.05,-1.07 1.05,1.07, body extent -1.2,-0.8 1.2,0.8, height 0.25
FP-S2751-46R-MFG#2 [mm]
  rect 2.2x1.4 smd paste+0 mask+0: TP8(0,0)
  silkscreen extent -1.05,-1.07 1.05,1.07, body extent -1.2,-0.8 1.2,0.8, height 0.25
FP-S2751-46R-MFG#3 [mm]
  rect 2.2x1.4 smd paste+0 mask+0: TP9(0,0)
  silkscreen extent -1.05,-1.07 1.05,1.07, body extent -1.2,-0.8 1.2,0.8, height 0.25
FP-S2751-46R-MFG#4 [mm]
  rect 2.2x1.4 smd paste+0 mask+0: TP10(0,0)
  silkscreen extent -1.05,-1.07 1.05,1.07, body extent -1.2,-0.8 1.2,0.8, height 0.25
FP-S2751-46R-MFG#5 [mm]
  rect 2.2x1.4 smd far side paste+0 mask+0: 1(0,0)
  silkscreen extent -1.05,-1.07 1.05,1.07, body extent -1.2,-0.8 1.2,0.8, height 0.25
FP-SMF24A-MFG [mm]
  rect 1.3x1.4 smd paste+0 mask+0: 1(-1.45,0) 2(1.45,0)
  silkscreen extent -2.85,-1 0.43,1, body extent -2.2,-1.1 2.2,1.1, height 0.25
FP-SML-D12-MFG [mm]
  rect 0.8x0.8 smd paste+0 mask+0: 1(-0.825,0) 2(0.825,0)
  silkscreen extent -1.92,-0.12 -1.67,0.12, body extent -1.33,-0.55 1.33,0.55, height 0.25
FP-SRP6050CA-MFG [mm]
  rect 5.6x1.55 smd paste+0 mask+0: 1(0,2.025) 2(0,-2.025)
  silkscreen extent -3.4,-3.3 3.4,3.3, body extent -3.5,-3.4 3.5,3.4, height 0.25
FP-T22-0442-MFG [mm]
  round 0.827 smd paste+0 mask+0: 1-2-26(-1.184,0.816)
  round 1.08 smd paste+0 mask+0: 3-4-27(-0.613,-0.675)
  round 0.272 smd paste+0 mask+0: 5-6-7-8-9(-1.444,-1.756)
  rect 0.3x0.73 smd paste+0 mask+0: 10(1.025,-1.935)
  rect 0.725x0.3 smd paste+0 mask+0: 11(1.937,-1.425) 12(1.937,-0.975) 13(1.937,-0.525) 14(1.937,-0.075) 15(1.937,0.375) 16(1.937,0.825) 17(1.937,1.275)
  rect 0.3x0.725 smd paste+0 mask+0: 18(1.475,1.937) 19(1.025,1.937) 20(0.575,1.937) 21(0.125,1.937) 22(-0.575,1.937) 23(-1.025,1.937) 24(-1.475,1.937)
  rect 1.575x1.05 smd paste+0 mask+0: 25(0.487,0.75)
  rect 0.58x0.38 smd paste+0 mask+0: 28(0.985,-0.99)
  L1-CU region: -2.3,0.975 -1.75,0.975 -1.75,1.275 -0.6,1.275 -0.6,0.225 -2.3,0.225 -2.3,0.525 -1.75,0.525 -1.75,0.675 -2.3,0.675
  L1-CU region: -2.3,-0.375 -1.75,-0.375 -1.75,-0.075 1.075,-0.075 1.075,-0.53 0.425,-0.53 0.425,-1.275 -1.75,-1.275 -1.75,-1.125 -2.3,-1.125 -2.3,-0.825 -1.75,-0.825 -1.75,-0.675 -2.3,-0.675
  L1-CU region: -1.625,-2.3 -1.625,-1.575 0.725,-1.575 0.725,-2.3 0.425,-2.3 0.425,-1.85 0.275,-1.85 0.275,-2.3 -0.025,-2.3 -0.025,-1.85 -0.425,-1.85 -0.425,-2.3 -0.725,-2.3 -0.725,-1.85 -0.875,-1.85 -0.875,-2.3 -1.175,-2.3 -1.175,-1.85 -1.325,-1.85 -1.325,-2.3
  silkscreen extent -3,-2.05 2.05,2.05, body extent -2.4,-2.4 2.4,2.4, height 0.25
FP-T521D107M025ATE040-MFG [mm]
  rect 1.99x2.33 smd paste+0 mask+0: 1(-3.01,0) 2(3.01,0)
  silkscreen extent -3.8,-2.3 4.9,2.3, body extent -4.13,-2.42 4.13,2.42, height 0.25
FP-XAL5030-222MEC-MFG [mm]
  rect 1.18x4.7 smd paste+0 mask+0: 1(-1.655,0) 2(1.655,0)
  silkscreen extent -3.37,-2.84 2.74,2.84, body extent -2.84,-2.94 2.84,2.94, height 0.25
IPEX_20455-040E-76 [mm]
  rect 0.25x0.9 smd mask+0.075: 1(-9.75,1.92) 2(-9.25,1.92) 3(-8.75,1.92) 4(-8.25,1.92) 5(-7.75,1.92) 6(-7.25,1.92) 7(-6.75,1.92) 8(-6.25,1.92) 9(-5.75,1.92) 10(-5.25,1.92) 11(-4.75,1.92) 12(-4.25,1.92) 13(-3.75,1.92) 14(-3.25,1.92) 15(-2.75,1.92) 16(-2.25,1.92) 17(-1.75,1.92) 18(-1.25,1.92) 19(-0.75,1.92) 20(-0.25,1.92) 21(0.25,1.92) 22(0.75,1.92) 23(1.25,1.92) 24(1.75,1.92) 25(2.25,1.92) 26(2.75,1.92) 27(3.25,1.92) 28(3.75,1.92) 29(4.25,1.92) 30(4.75,1.92) 31(5.25,1.92) 32(5.75,1.92) 33(6.25,1.92) 34(6.75,1.92) 35(7.25,1.92) 36(7.75,1.92) 37(8.25,1.92) 38(8.75,1.92) 39(9.25,1.92) 40(9.75,1.92)
  rect 0.55x0.9 smd mask+0.1: S1(-10.65,1.92) S3(10.65,1.92)
  rect 1.4x1.9 smd mask+0.1: S2(-12.85,-0.9) S4(12.85,-0.9)
  silkscreen extent -12.23,-1.9 12.23,3
JST-S2B-PH-K-S_V [mm] "THD, 2-Leads, Body 7.6x5.9mm, Pitch 2mm"
  rect 1.2x1.2 hole 0.7 mask+0.1: 1(-1,2.45)
  round 1.2 hole 0.7 mask+0.1: 2(1,2.45)
  silkscreen extent -2.95,-3.8 2.95,4.35, body extent -2.95,-3.8 2.95,3.8, height 4.8
OSC_ECS-2520S25-250-FN-TR [mm]
  rect 0.9x0.8 smd mask+0.1: 1(-0.925,-0.725) 2(0.925,-0.725) 3(0.925,0.725) 4(-0.925,0.725)
  silkscreen extent -0.16,-1 0.16,1, body extent -1.25,-1 1.25,1, height 1